# Altium PCB Audio-Beamformer_V1.0.PcbDoc (part 5 of 11)
Units mm, origin at the board's own origin, x right, y up, seen from the top; angles counter-clockwise.
Board outline 300 x 376 mm, 2 copper layers (Top Layer, Bottom Layer), stack 1.548 mm thick; 1137 components, 629 nets, 3569 pads, 2808 vias.
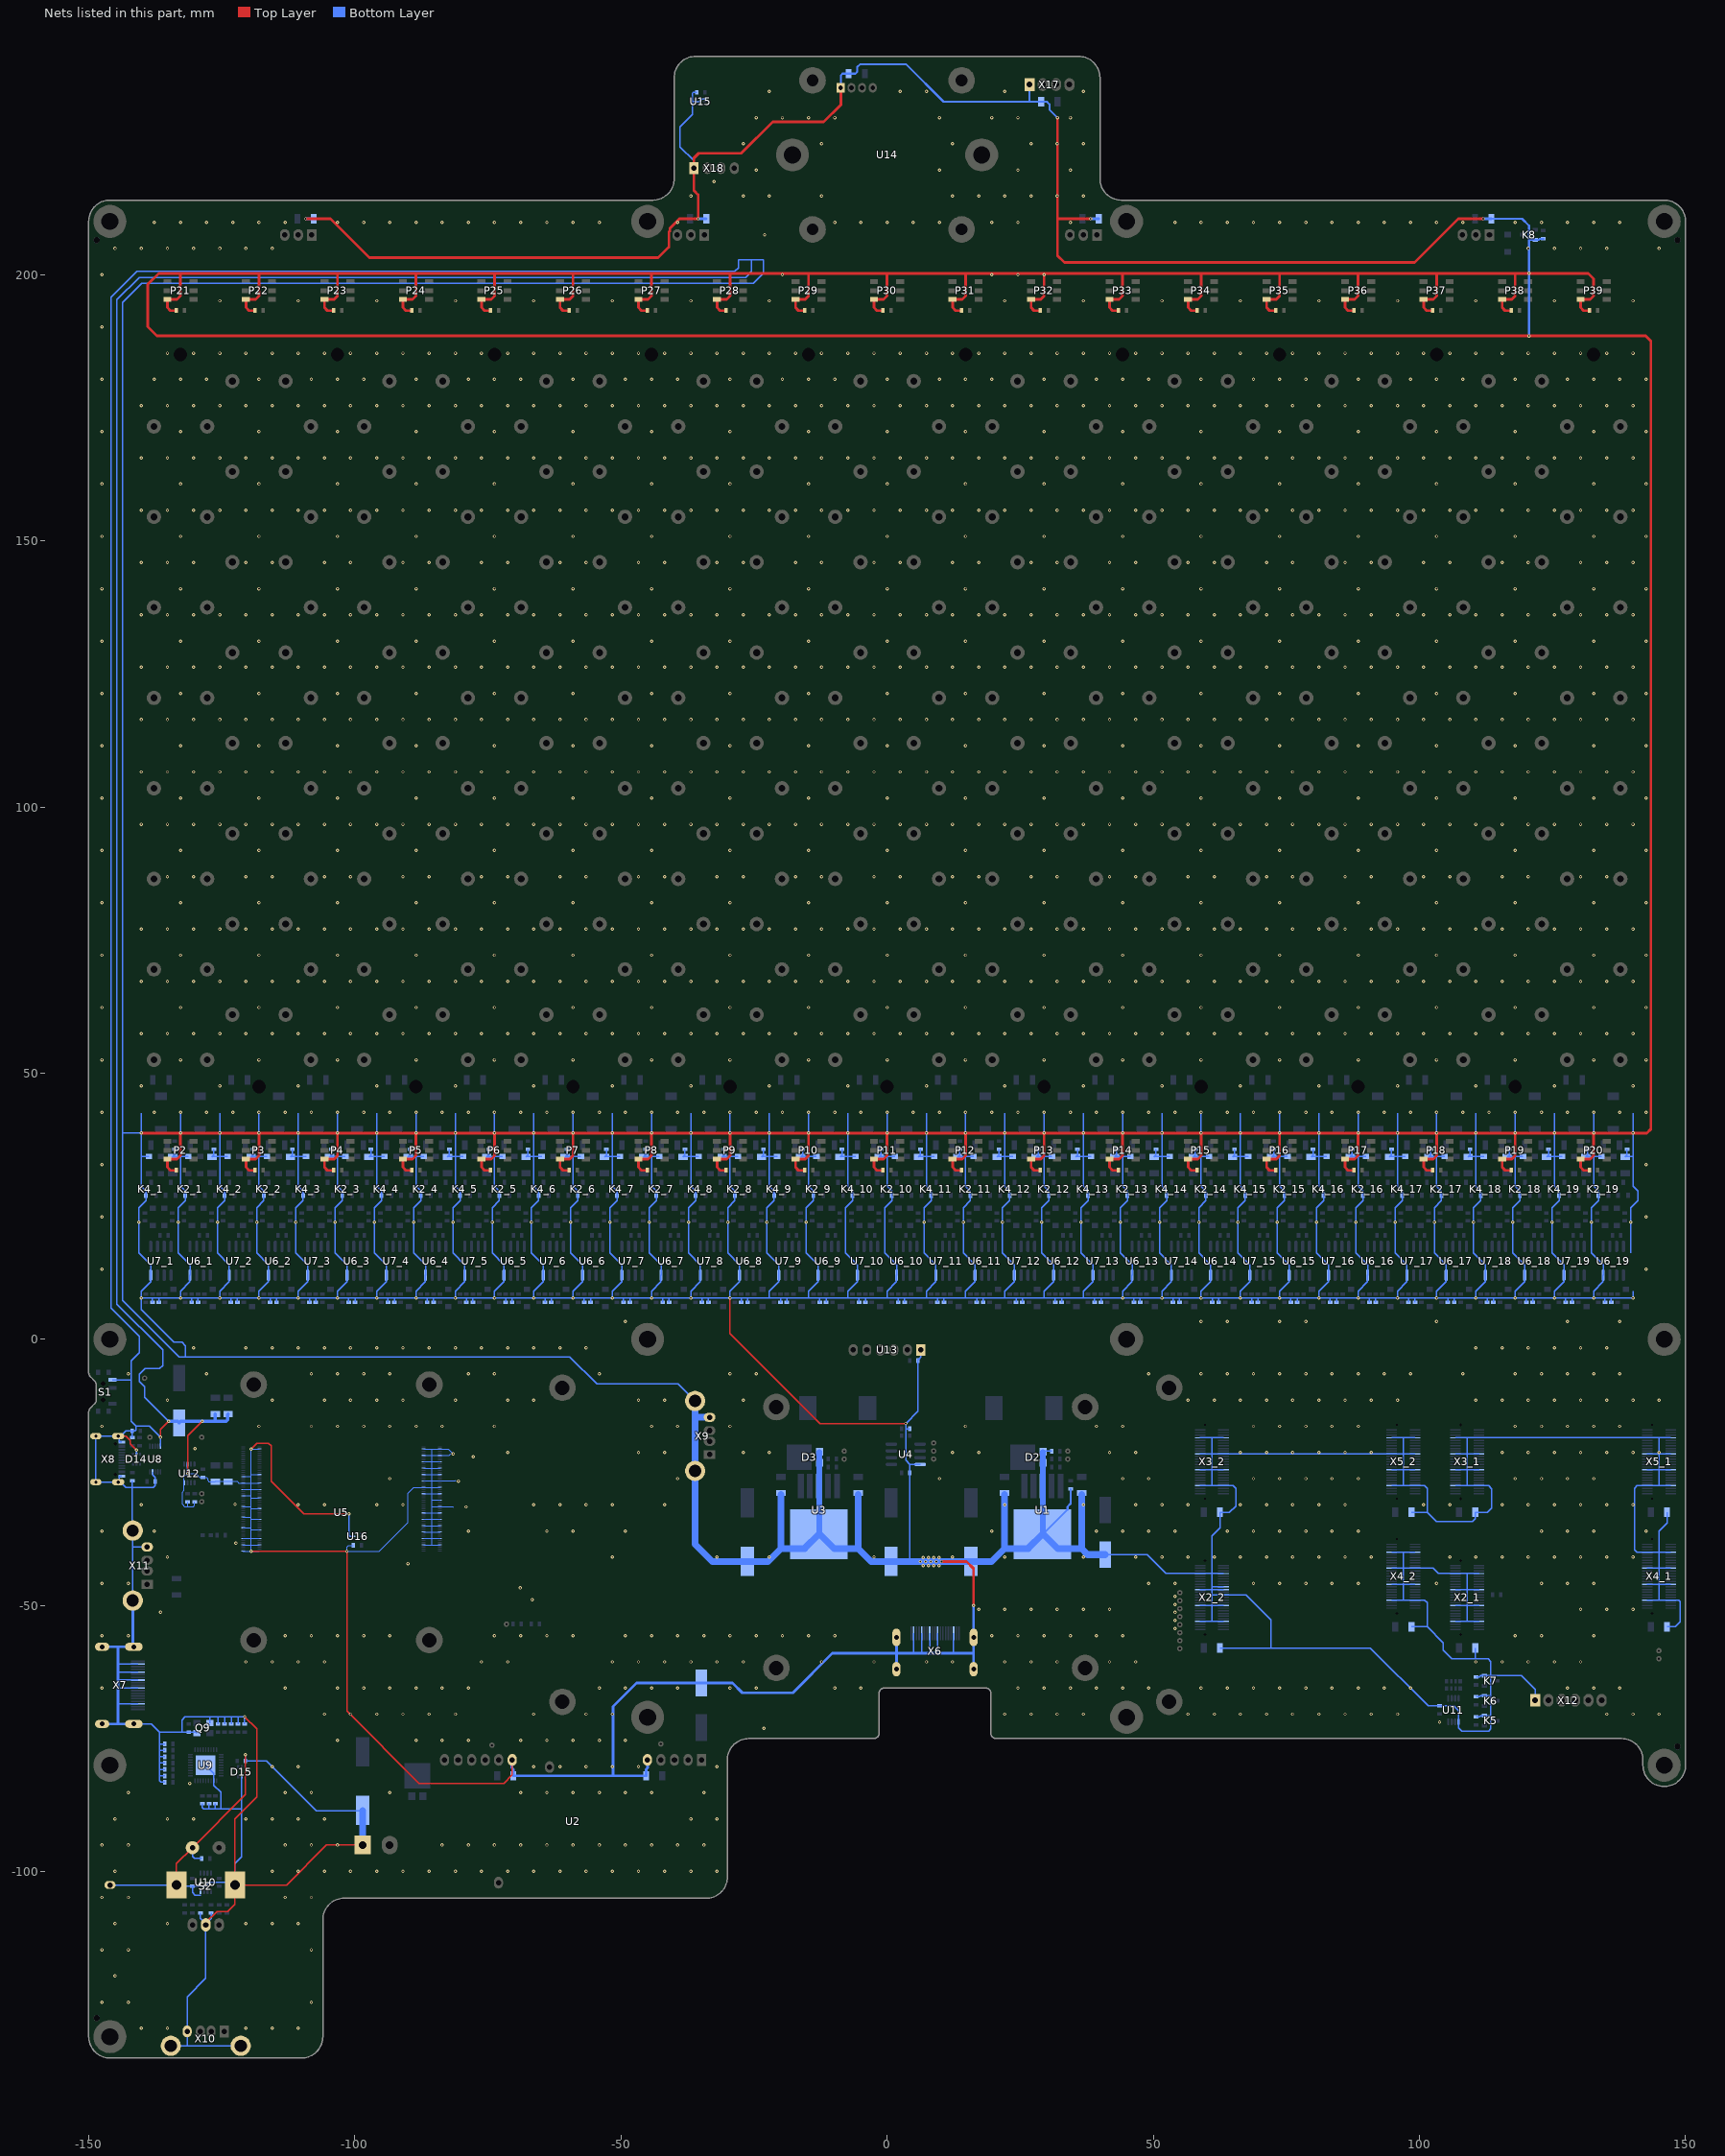
[diagram p5: the nets of this part, all layers, seen from the top]

## Via types
v1: diameter 0.62, hole 0.3, Top Layer to Bottom Layer, tented both sides, 2808 vias

## Nets (pads, with @x,y where several pads share a name; then routed paths per layer and width w, separated by ;. In a path a pad name is that pad's centre, name@x,y a point inside that pad or via, vN(x,y) a via of type N, cw(c..) or ccw(c..) an arc to the next point about the centre after c; other vN are vias at no path point) (continued)
A14_2: C2.1 C3.M C4.M C5.1 C6.1 C7.M C8.M C9.1 C11.1 C12.M C13.M C14.1 C15.1 C16.1 C17.1 C18.M C19.1 C20.1 C21_1.1 C21_2.1 C22_1.1 C22_2.1 C23_1.1 C23_2.1 C24_1.1 C24_2.1 C25_1.1 C25_2.1 C25_3.1 C25_4.1 C25_5.1 C25_6.1 C25_7.1 C25_8.1 C25_9.1 C25_10.1 C25_11.1 C25_12.1 C25_13.1 C25_14.1 C25_15.1 C25_16.1 C25_17.1 C25_18.1 C25_19.1 C26_1.1 C26_2.1 C26_3.1 C26_4.1 C26_5.1 C26_6.1 C26_7.1 C26_8.1 C26_9.1 C26_10.1 C26_11.1 C26_12.1 C26_13.1 C26_14.1 C26_15.1 C26_16.1 C26_17.1 C26_18.1 C26_19.1 C28_1.2 C28_2.2 C28_3.2 C28_4.2 C28_5.2 C28_6.2 C28_7.2 C28_8.2 C28_9.2 C28_10.2 C28_11.2 C28_12.2 C28_13.2 C28_14.2 C28_15.2 C28_16.2 C28_17.2 C28_18.2 C28_19.2 C29_1.1 C29_2.1 C29_3.1 C29_4.1 C29_5.1 C29_6.1 C29_7.1 C29_8.1 C29_9.1 C29_10.1 C29_11.1 C29_12.1 C29_13.1 C29_14.1 C29_15.1 C29_16.1 C29_17.1 C29_18.1 C29_19.1 C30_1.1 C30_2.1 C30_3.1 C30_4.1 C30_5.1 C30_6.1 C30_7.1 C30_8.1 C30_9.1 C30_10.1 C30_11.1 C30_12.1 C30_13.1 C30_14.1 C30_15.1 C30_16.1 C30_17.1 C30_18.1 C30_19.1 C32_1.2 C32_2.2 C32_3.2 C32_4.2 C32_5.2 C32_6.2 C32_7.2 C32_8.2 C32_9.2 C32_10.2 C32_11.2 C32_12.2 C32_13.2 C32_14.2 C32_15.2 C32_16.2 C32_17.2 C32_18.2 C32_19.2 C33.1 C34.1 C35.1 C36.1 C37.1 C38.1 C39.1 C40.1 C41.1 C42.1 C43.1 C44.2 C45.2 C46.1 C47.1 C48.1 C49.1 C50.1 C51.1 C52.1 C53.1 C54.1 C55.1 C56.1 C57.1 C58.1 C59.1 C60.1 C61.1 C62.1 C63.1 C64.1 C65.1 C66.1 C67.1 C68.1 C69.1 C70.1 C71.1 C72.1 C73.1 C74.1 C75.1 C76.1 C77.1 C78.1 C79.1 C80.1 C81.1 C82.1 C83.1 C84.1 C85.1 C86.1 C87.1 C88.1 C89.1 C90.1 C91.1 C92.1 C93.1 C94.1 C95.1 C96.1 C97.1 C98.1 D2.A D3.A D8_1.A D8_2.A D8_3.A D8_4.A D8_5.A D8_6.A D8_7.A D8_8.A D8_9.A D8_10.A D8_11.A D8_12.A D8_13.A D8_14.A D8_15.A D8_16.A D8_17.A D8_18.A D8_19.A D13_1.A D13_2.A D13_3.A D13_4.A D13_5.A D13_6.A D13_7.A D13_8.A D13_9.A D13_10.A D13_11.A D13_12.A D13_13.A D13_14.A D13_15.A D13_16.A D13_17.A D13_18.A D13_19.A D14.2 D15.2 K2_1.S K2_2.S K2_3.S K2_4.S K2_5.S K2_6.S K2_7.S K2_8.S K2_9.S K2_10.S K2_11.S K2_12.S K2_13.S K2_14.S K2_15.S K2_16.S K2_17.S K2_18.S K2_19.S K4_1.S K4_2.S K4_3.S K4_4.S K4_5.S K4_6.S K4_7.S K4_8.S K4_9.S K4_10.S K4_11.S K4_12.S K4_13.S K4_14.S K4_15.S K4_16.S K4_17.S K4_18.S K4_19.S K5.S K6.S K7.S K8.S P2.3 P3.3 P4.3 P5.3 P6.3 P7.3 P8.3 P9.3 P10.3 P11.3 P12.3 P13.3 P14.3 P15.3 P16.3 P17.3 P18.3 P19.3 P20.3 P21.3 P22.3 P23.3 P24.3 P25.3 P26.3 P27.3 P28.3 P29.3 P30.3 P31.3 P32.3 P33.3 P34.3 P35.3 P36.3 P37.3 P38.3 P39.3 Q9.3 R3.1 R4.2 R8.2 R21_1.1 R21_2.1 R21_3.1 R21_4.1 R21_5.1 R21_6.1 R21_7.1 R21_8.1 R21_9.1 R21_10.1 R21_11.1 R21_12.1 R21_13.1 R21_14.1 R21_15.1 R21_16.1 R21_17.1 R21_18.1 R21_19.1 R22_1.1 R22_2.1 R22_3.1 R22_4.1 R22_5.1 R22_6.1 R22_7.1 R22_8.1 R22_9.1 R22_10.1 R22_11.1 R22_12.1 R22_13.1 R22_14.1 R22_15.1 R22_16.1 R22_17.1 R22_18.1 R22_19.1 R25.2 R26.2 R27.2 R28.1 R29.1 R30.1 R31.1 R32.1 R39.1 R40.1 R41.1 R42.1 R43.1 R44.1 S1.3 S2.2 S2.5 S2.6 TP7.1 U1.3 U2.5 U2.6 U3.3 U4.4 U5.1 U5.2 U5.7 U5.8 U5.13 U5.14 U5.22 U5.23 U5.32 U5.33 U5.42 U5.43 U5.52 U5.53 U5.59 U5.60 U5.65 U5.66 U5.71 U5.74 U5.98 U5.107 U5.108 U5.113 U5.114 U5.119 U5.120 U5.125 U5.126 U5.131 U5.132 U5.137 U5.138 U5.144 U5.150 U5.155 U5.156 U5.161 U5.162 U5.167 U5.168 U5.173 U5.174 U5.179 U5.180 U5.185 U5.186 U5.191 U5.192 U5.197 U5.198 U6_1.4 U6_2.4 U6_3.4 U6_4.4 U6_5.4 U6_6.4 U6_7.4 U6_8.4 U6_9.4 U6_10.4 U6_11.4 U6_12.4 U6_13.4 U6_14.4 U6_15.4 U6_16.4 U6_17.4 U6_18.4 U6_19.4 U7_1.4 U7_2.4 U7_3.4 U7_4.4 U7_5.4 U7_6.4 U7_7.4 U7_8.4 U7_9.4 U7_10.4 U7_11.4 U7_12.4 U7_13.4 U7_14.4 U7_15.4 U7_16.4 U7_17.4 U7_18.4 U7_19.4 U8.5 U8.9 U9.11 U9.PAD U10.4 U11.5 U12.4 U12.6 U13.1 U14.1 U15.2 U15.4 U16.2 X1.1 X2_1.4 X2_1.10 X2_1.16 X2_1.22 X2_1.29 X2_1.35 X2_1.41 X2_1.47 X2_2.4 X2_2.10 X2_2.14 X2_2.16 X2_2.17 X2_2.22 X2_2.29 X2_2.35 X2_2.41 X2_2.47 X3_1.4 X3_1.10 X3_1.16 X3_1.22 X3_1.29 X3_1.35 X3_1.41 X3_1.47 X3_2.4 X3_2.10 X3_2.16 X3_2.22 X3_2.29 X3_2.35 X3_2.41 X3_2.47 X4_1.4 X4_1.10 X4_1.16 X4_1.22 X4_1.29 X4_1.35 X4_1.41 X4_1.47 X4_2.4 X4_2.10 X4_2.16 X4_2.22 X4_2.29 X4_2.35 X4_2.41 X4_2.47 X5_1.4 X5_1.10 X5_1.16 X5_1.22 X5_1.29 X5_1.35 X5_1.41 X5_1.47 X5_2.4 X5_2.10 X5_2.16 X5_2.22 X5_2.29 X5_2.35 X5_2.41 X5_2.47 X6.2 X6.5 X6.8 X6.11 X6.17 X6.SHD X7.2 X7.5 X7.8 X7.11 X7.17 X7.SHD X8.A1B12 X8.B1A12 X8.G1 X8.G2 X8.G3 X8.G4 X9.4 X10.4 X11.4 X12.1 X17.1 X18.1 | length 6581.8
  Top Layer w0.254: X8.G4@-144.47,-18.18 -143.02,-18.18 -142.2,-19 -142.2,-19.6 v1(-141,-20.8) ; v1(-136.5,-18.4) -136.5,-16.9 v1(-135,-15.4) ; S2.6@-133.5,-102.5 -133.5,-98.5 S2.5@-130.5,-95.5 -120.538,-85.538 v1(-120.538,-78) ; v1(-131.4,-25.2) -131.4,-18.1 v1(-128.7,-15.4) ; S2.2@-128,-110 -128,-109.6 -125.9,-107.5 -123.9,-107.5 -122.5,-106.1 S2.6@-122.5,-102.5 ; v1(-120.7,-70.9) -118.4,-73.2 -118.4,-86 -122.5,-90.1 S2.6@-122.5,-102.5 ; v1(-119.46,-39.8) v1(-101.5,-39.8) -101.5,-69.8 -87.9,-83.4 -72,-83.4 -70.43,-81.83 U2.6@-70.43,-79 ; v1(-119.46,-20.6) -118.36,-19.5 -116.2,-19.5 -115.7,-20 -115.7,-26.7 -109.6,-32.8 v1(-101.1,-32.8) ; X1.1@-98.54,-95 -105.3,-95 -112.8,-102.5 S2.6@-122.5,-102.5 ; v1(-29.5,7.75) -29.5,1.1 -12.6,-15.8 v1(3.5,-15.8)
  Top Layer w0.508: v1(-140.125,38.75) v1(-132.75,38.75) ; C56.1@-133.512,31.75 -134.65,31.75 -135.2,32.3 P2.3@-135.2,33.85 -133.4,33.85 -132.75,34.5 v1(-132.75,38.75) ; C75.1@-133.512,193.25 -134.65,193.25 -135.2,193.8 P21.3@-135.2,195.35 -133.4,195.35 -132.75,196 -132.75,200.25 ; C57.1@-118.762,31.75 -119.9,31.75 -120.45,32.3 P3.3@-120.45,33.85 -118.65,33.85 -118,34.5 v1(-118,38.75) ; C76.1@-118.762,193.25 -119.9,193.25 -120.45,193.8 P22.3@-120.45,195.35 -118.65,195.35 -118,196 -118,200.25 ; v1(-109.25,210.5) -104.55,210.5 -97.25,203.2 -43,203.2 -41,205.2 -41,208 -40.8,208.2 -40.8,208.7 -39,210.5 v1(-35.5,210.5) -35.5,215 -36.3,215.8 -36.3,219.99 X18.1@-36.31,220 -36.31,221.89 -35.4,222.8 -27.4,222.8 -21.5,228.7 -11.9,228.7 -8.7,231.9 U14.1@-8.7,235.1 ; C58.1@-104.012,31.75 -105.15,31.75 -105.7,32.3 P4.3@-105.7,33.85 -103.9,33.85 -103.25,34.5 v1(-103.25,38.75) ; C77.1@-104.012,193.25 -105.15,193.25 -105.7,193.8 P23.3@-105.7,195.35 -103.9,195.35 -103.25,196 -103.25,200.25 ; C59.1@-89.262,31.75 -90.4,31.75 -90.95,32.3 P5.3@-90.95,33.85 -89.15,33.85 -88.5,34.5 v1(-88.5,38.75) ; C78.1@-89.262,193.25 -90.4,193.25 -90.95,193.8 P24.3@-90.95,195.35 -89.15,195.35 -88.5,196 -88.5,200.25 ; C60.1@-74.512,31.75 -75.65,31.75 -76.2,32.3 P6.3@-76.2,33.85 -74.4,33.85 -73.75,34.5 v1(-73.75,38.75) ; C79.1@-74.512,193.25 -75.65,193.25 -76.2,193.8 P25.3@-76.2,195.35 -74.4,195.35 -73.75,196 -73.75,200.25 ; C61.1@-59.762,31.75 -60.9,31.75 -61.45,32.3 P7.3@-61.45,33.85 -59.65,33.85 -59,34.5 v1(-59,38.75) ; C80.1@-59.762,193.25 -60.9,193.25 -61.45,193.8 P26.3@-61.45,195.35 -59.65,195.35 -59,196 -59,200.25 ; C62.1@-45.012,31.75 -46.15,31.75 -46.7,32.3 P8.3@-46.7,33.85 -44.9,33.85 -44.25,34.5 v1(-44.25,38.75) ; C81.1@-45.012,193.25 -46.15,193.25 -46.7,193.8 P27.3@-46.7,195.35 -44.9,195.35 -44.25,196 -44.25,200.25 ; C63.1@-30.262,31.75 -31.4,31.75 -31.95,32.3 P9.3@-31.95,33.85 -30.15,33.85 -29.5,34.5 v1(-29.5,38.75) ; C82.1@-30.262,193.25 -31.4,193.25 -31.95,193.8 P28.3@-31.95,195.35 -30.15,195.35 -29.5,196 -29.5,200.25 ; C64.1@-15.512,31.75 -16.65,31.75 -17.2,32.3 P10.3@-17.2,33.85 -15.4,33.85 -14.75,34.5 v1(-14.75,38.75) ; C83.1@-15.512,193.25 -16.65,193.25 -17.2,193.8 P29.3@-17.2,195.35 -15.4,195.35 -14.75,196 -14.75,200.25 ; C65.1@-0.762,31.75 -1.9,31.75 -2.45,32.3 P11.3@-2.45,33.85 -0.65,33.85 0,34.5 v1(0,38.75) ; C84.1@-0.762,193.25 -1.9,193.25 -2.45,193.8 P30.3@-2.45,195.35 -0.65,195.35 0,196 0,200.25 ; v1(10.25,-41.75) 14.95,-41.75 16.25,-43.05 v1(16.25,-50) ; C66.1@13.988,31.75 12.85,31.75 12.3,32.3 P12.3@12.3,33.85 14.1,33.85 14.75,34.5 v1(14.75,38.75) ; C85.1@13.988,193.25 12.85,193.25 12.3,193.8 P31.3@12.3,195.35 14.1,195.35 14.75,196 14.75,200.25 ; C67.1@28.738,31.75 27.6,31.75 27.05,32.3 P13.3@27.05,33.85 28.85,33.85 29.5,34.5 v1(29.5,38.75) ; C86.1@28.738,193.25 27.6,193.25 27.05,193.8 P32.3@27.05,195.35 28.85,195.35 29.5,196 v1@29.5,200.25 ; v1(32,229.5) 32,210.5 ; v1(38.25,210.5) 32,210.5 ; C68.1@43.488,31.75 42.35,31.75 41.8,32.3 P14.3@41.8,33.85 43.6,33.85 44.25,34.5 v1(44.25,38.75) ; C87.1@43.488,193.25 42.35,193.25 41.8,193.8 P33.3@41.8,195.35 43.6,195.35 44.25,196 44.25,200.25 ; C69.1@58.238,31.75 57.1,31.75 56.55,32.3 P15.3@56.55,33.85 58.35,33.85 59,34.5 v1(59,38.75) ; C88.1@58.238,193.25 57.1,193.25 56.55,193.8 P34.3@56.55,195.35 58.35,195.35 59,196 59,200.25 ; C70.1@72.988,31.75 71.85,31.75 71.3,32.3 P16.3@71.3,33.85 73.1,33.85 73.75,34.5 v1(73.75,38.75) ; C89.1@72.988,193.25 71.85,193.25 71.3,193.8 P35.3@71.3,195.35 73.1,195.35 73.75,196 73.75,200.25 ; C71.1@87.738,31.75 86.6,31.75 86.05,32.3 P17.3@86.05,33.85 87.85,33.85 88.5,34.5 v1(88.5,38.75) ; C90.1@87.738,193.25 86.6,193.25 86.05,193.8 P36.3@86.05,195.35 87.85,195.35 88.5,196 88.5,200.25 ; C72.1@102.488,31.75 101.35,31.75 100.8,32.3 P18.3@100.8,33.85 102.6,33.85 103.25,34.5 v1(103.25,38.75) ; C91.1@102.488,193.25 101.35,193.25 100.8,193.8 P37.3@100.8,195.35 102.6,195.35 103.25,196 103.25,200.25 ; v1(112,210.5) 107.3,210.5 99.1,202.3 33.3,202.3 32,203.6 32,210.5 ; C73.1@117.238,31.75 116.1,31.75 115.55,32.3 P19.3@115.55,33.85 117.35,33.85 118,34.5 v1(118,38.75) ; C92.1@117.238,193.25 116.1,193.25 115.55,193.8 P38.3@115.55,195.35 117.35,195.35 118,196 118,200.25 ; C74.1@131.988,31.75 130.85,31.75 130.3,32.3 P20.3@130.3,33.85 132.1,33.85 132.75,34.5 v1(132.75,38.75) ; C93.1@131.988,193.25 130.85,193.25 130.3,193.8 P39.3@130.3,195.35 132.1,195.35 132.75,196 132.75,199.25 131.75,200.25 v1(120.6,200.25) 118,200.25 ; v1(-132.75,38.75) v1(-125.375,38.75) v1(-118,38.75) ; -132.75,200.25 -136.85,200.25 -138.9,198.2 -138.9,190.2 -137.2,188.5 -136.25,188.5 v1(120.6,188.5) 142.5,188.5 143.5,187.5 143.5,39.5 142.75,38.75 v1(140.125,38.75) v1(132.75,38.75) ; -132.75,200.25 -118,200.25 ; v1(-118,38.75) v1(-110.625,38.75) v1(-103.25,38.75) ; -118,200.25 -103.25,200.25 ; v1(-103.25,38.75) v1(-95.875,38.75) v1(-88.5,38.75) ; -103.25,200.25 -88.5,200.25 ; v1(-88.5,38.75) v1(-81.125,38.75) v1(-73.75,38.75) ; -88.5,200.25 -73.75,200.25 ; v1(-73.75,38.75) v1(-66.375,38.75) v1(-59,38.75) ; -73.75,200.25 -59,200.25 ; v1(-59,38.75) v1(-51.625,38.75) v1(-44.25,38.75) ; -59,200.25 -44.25,200.25 ; v1(-44.25,38.75) v1(-36.875,38.75) v1(-29.5,38.75) ; -44.25,200.25 -29.5,200.25 ; v1(-29.5,38.75) v1(-22.125,38.75) v1(-14.75,38.75) ; -29.5,200.25 -14.75,200.25 ; v1(-14.75,38.75) v1(-7.375,38.75) v1(0,38.75) ; -14.75,200.25 0,200.25 ; v1(0,38.75) v1(7.375,38.75) v1(14.75,38.75) ; 0,200.25 14.75,200.25 ; v1(14.75,38.75) v1(22.125,38.75) v1(29.5,38.75) ; 14.75,200.25 24.583,200.25 v1@29.5,200.25 ; v1(29.5,38.75) v1(36.875,38.75) v1(44.25,38.75) ; v1@29.5,200.25 44.25,200.25 ; v1(44.25,38.75) v1(51.625,38.75) v1(59,38.75) ; 44.25,200.25 59,200.25 ; v1(59,38.75) v1(66.375,38.75) v1(73.75,38.75) ; 59,200.25 73.75,200.25 ; v1(73.75,38.75) v1(81.125,38.75) v1(88.5,38.75) ; 73.75,200.25 88.5,200.25 ; v1(88.5,38.75) v1(95.875,38.75) v1(103.25,38.75) ; 88.5,200.25 103.25,200.25 ; v1(103.25,38.75) v1(110.625,38.75) v1(118,38.75) ; 103.25,200.25 118,200.25 ; v1(118,38.75) v1(125.375,38.75) v1(132.75,38.75)
  Bottom Layer w0.2: U12.6@-131.425,-23.45 -131.425,-25.175 v1(-131.4,-25.2) ; R44.1@-131.4,-30.562 -131.4,-31.4 ; R43.1@-130.1,-30.562 -130.1,-31.2 -130.3,-31.4 -131.4,-31.4 ; C17.1@-126.25,-26.674 -124,-26.674 -123.974,-26.7 -122.1,-26.7 -121.8,-27 U5.65@-121,-27 -119.46,-27 ; C17.1@-126.2,-26.724 -127.376,-26.724 -127.6,-26.5 -127.6,-26.2 -127.838,-25.962 C55.1@-128.5,-25.962 -128.556,-25.906 -129.127,-25.906 -129.833,-25.2 v1(-131.4,-25.2) ; U5.1@-121,-39.8 v1(-119.46,-39.8) ; U5.7@-121,-38.6 -119.46,-38.6 ; U5.13@-121,-37.4 -119.46,-37.4 ; U5.23@-121,-35.4 -119.46,-35.4 ; U5.33@-121,-33.4 -119.46,-33.4 ; U5.43@-121,-31.4 -119.46,-31.4 ; U5.53@-121,-29.4 -119.46,-29.4 ; U5.59@-121,-28.2 -119.46,-28.2 ; U5.71@-121,-25.8 -119.46,-25.8 ; U5.2@-117.92,-39.8 v1(-119.46,-39.8) ; U5.8@-117.92,-38.6 -119.46,-38.6 ; U5.14@-117.92,-37.4 -119.46,-37.4 ; U5.22@-117.92,-35.8 -119.46,-35.8 ; U5.32@-117.92,-33.8 -119.46,-33.8 ; U5.42@-117.92,-31.8 -119.46,-31.8 ; U5.52@-117.92,-29.8 -119.46,-29.8 ; U5.60@-117.92,-28.2 -119.46,-28.2 ; U5.66@-117.92,-27 -119.46,-27 ; U5.74@-117.92,-25.4 -119.46,-25.4 ; U5.98@-117.92,-20.6 v1(-119.46,-20.6) -119.46,-25.4 ; C98.1@-100.262,-38.7 -101.2,-38.7 -101.5,-39 v1(-101.5,-39.8) -95.4,-39.8 -90,-34.4 -90,-28.9 -88.9,-27.8 U5.161@-87.08,-27.8 -85.54,-27.8 ; U5.107@-87.08,-38.6 -85.54,-38.6 ; U5.113@-87.08,-37.4 -85.54,-37.4 ; U5.119@-87.08,-36.2 -85.54,-36.2 ; U5.125@-87.08,-35 -85.54,-35 ; U5.131@-87.08,-33.8 -85.54,-33.8 ; U5.137@-87.08,-32.6 -85.54,-32.6 ; U5.155@-87.08,-29 -85.54,-29 ; U5.167@-87.08,-26.6 -85.54,-26.6 ; U5.173@-87.08,-25.4 -85.54,-25.4 ; U5.179@-87.08,-24.2 -85.54,-24.2 ; U5.185@-87.08,-23 -85.54,-23 ; U5.191@-87.08,-21.8 -85.54,-21.8 ; U5.197@-87.08,-20.6 -85.54,-20.6 ; U5.108@-84,-38.6 -85.54,-38.6 ; U5.114@-84,-37.4 -85.54,-37.4 ; U5.120@-84,-36.2 -85.54,-36.2 ; U5.126@-84,-35 -85.54,-35 ; U5.132@-84,-33.8 -85.54,-33.8 ; U5.138@-84,-32.6 -85.54,-32.6 ; U5.150@-84,-30.2 -85.54,-30.2 ; U5.156@-84,-29 -85.54,-29 ; U5.162@-84,-27.8 -85.54,-27.8 ; U5.174@-84,-25.4 -85.54,-25.4 ; U5.180@-84,-24.2 -85.54,-24.2 ; U5.186@-84,-23 -85.54,-23 ; -82,-21.5 -82.3,-21.8 U5.192@-84,-21.8 -85.54,-21.8 ; -81.5,-31.5 -81.6,-31.4 U5.144@-84,-31.4 -85.54,-31.4 ; v1(-81.5,-21.5) -82.4,-20.6 U5.198@-84,-20.6 -85.54,-20.6 ; -81,-26.5 -81.1,-26.6 U5.168@-84,-26.6 -85.54,-26.6 ; -131.4,-31.4 -132,-31.4 -132.4,-31 -132.4,-28.7 -132.075,-28.375 -132.075,-25.875 v1(-131.4,-25.2) ; v1(-119.46,-39.8) -119.46,-38.6 ; -119.46,-38.6 -119.46,-37.4 ; -119.46,-37.4 -119.46,-35.8 ; -119.46,-35.8 -119.46,-33.8 ; -119.46,-33.8 -119.46,-31.8 ; -119.46,-31.8 -119.46,-29.8 ; -119.46,-29.8 -119.46,-28.2 ; -119.46,-28.2 -119.46,-27 ; -119.46,-27 -119.46,-25.4 ; -85.54,-38.6 -85.54,-37.4 ; -85.54,-37.4 -85.54,-36.2 ; -85.54,-36.2 -85.54,-35 ; -85.54,-35 -85.54,-33.8 ; -85.54,-33.8 -85.54,-32.6 ; -85.54,-32.6 -85.54,-31.4 ; -85.54,-31.4 -85.54,-30.2 ; -85.54,-30.2 -85.54,-29 ; -85.54,-29 -85.54,-27.8 ; -85.54,-27.8 -85.54,-26.6 ; -85.54,-26.6 -85.54,-25.4 ; -85.54,-25.4 -85.54,-24.2 ; -85.54,-24.2 -85.54,-23 ; -85.54,-23 -85.54,-21.8 ; -85.54,-21.8 -85.54,-20.6
  Bottom Layer w0.25: R26.2@-141.8,-26.562 -141.8,-27.738 -141.8,-27.8 -141.8,-35.85 X11.4@-141.72,-35.93 -141.72,-38.9 ; X11.4@-141.72,-49.07 -141.72,-38.9 ; X11.4@-139.01,-39 -141.62,-39 -141.72,-38.9 ; -36.07,-14.6 -36.02,-14.65 ; C3.M@41,-40.45 48.85,-40.45 52.4,-44 X2_2.29@58.8,-44 61,-44 ; X2_2.47@58.8,-53 61,-53 ; X2_2.41@58.8,-50 61,-50 ; X2_2.35@58.8,-47 61,-47 ; X3_2.47@58.8,-27.5 61,-27.5 ; X3_2.41@58.8,-24.5 61,-24.5 ; X3_2.35@58.8,-21.5 61,-21.5 ; X3_2.29@58.8,-18.5 61,-18.5 ; C21_2.1@62.524,-58 72.1,-58 ; X2_2.4@63.2,-53 61,-53 ; X2_2.10@63.2,-50 61,-50 ; X2_2.16@63.2,-47 61,-47 ; X2_2.17@63.2,-46.5 61,-46.5 ; X2_2.22@63.2,-44 61,-44 ; X3_2.10@63.2,-24.5 61,-24.5 ; X3_2.22@63.2,-18.5 61,-18.5 ; X4_2.47@94.8,-49 97,-49 ; X4_2.41@94.8,-46 97,-46 ; X4_2.35@94.8,-43 97,-43 ; X4_2.29@94.8,-40 97,-40 ; X5_2.47@94.8,-27.5 97,-27.5 ; X5_2.41@94.8,-24.5 97,-24.5 ; X5_2.29@94.8,-18.5 97,-18.5 ; C23_2.1@98.524,-54 101.5,-54 ; C24_2.1@98.524,-32.5 101.5,-32.5 ; X4_2.10@99.2,-46 97,-46 ; X4_2.22@99.2,-40 97,-40 ; X5_2.10@99.2,-24.5 97,-24.5 ; X5_2.16@99.2,-21.5 97,-21.5 ; X5_2.22@99.2,-18.5 97,-18.5 ; C50.1@103.8,-68.838 101.638,-68.838 90.8,-58 72.1,-58 ; X2_1.47@106.8,-53 109,-53 ; X2_1.41@106.8,-50 109,-50 ; X2_1.35@106.8,-47 109,-47 ; X3_1.47@106.8,-27.5 109,-27.5 ; X3_1.41@106.8,-24.5 109,-24.5 ; X3_1.35@106.8,-21.5 109,-21.5 ; X3_1.29@106.8,-18.5 109,-18.5 ; C21_1.1@110.524,-58 110.524,-60 ; X2_1.4@111.2,-53 109,-53 ; X2_1.10@111.2,-50 109,-50 ; X2_1.16@111.2,-47 109,-47 ; X2_1.22@111.2,-44 109,-44 ; X3_1.10@111.2,-24.5 109,-24.5 ; X3_1.16@111.2,-21.5 109,-21.5 ; 113.4,-60.5 112.9,-60 110.524,-60 ; X4_1.47@142.8,-49 145,-49 ; X4_1.41@142.8,-46 145,-46 ; X4_1.35@142.8,-43 145,-43 ; X5_1.41@142.8,-24.5 145,-24.5 ; X5_1.35@142.8,-21.5 v1@145,-21.5 ; C23_1.1@146.524,-54 148.1,-54 149,-53.1 149,-49.3 148.7,-49 X4_1.4@147.2,-49 145,-49 ; C24_1.1@146.524,-32.5 146.524,-34.476 145,-36 145,-40 ; X4_1.10@147.2,-46 145,-46 ; X4_1.16@147.2,-43 145,-43 ; X4_1.22@147.2,-40 145,-40 ; X5_1.4@147.2,-27.5 145,-27.5 ; X5_1.10@147.2,-24.5 145,-24.5 ; X5_1.16@147.2,-21.5 v1@145,-21.5 ; X5_1.22@147.2,-18.5 145,-18.5 ; 61,-53 61,-50 ; 61,-50 61,-48 ; 61,-48 61,-47 ; 61,-48 X2_2.14@63.2,-48 67.4,-48 72.1,-52.7 72.1,-58 ; 61,-47 61,-46.5 ; 61,-46.5 61,-44 ; 61,-44 61,-36.9 62.524,-35.376 C22_2.1@62.524,-32.5 64.3,-32.5 65.5,-31.3 65.5,-28 65,-27.5 X3_2.4@63.2,-27.5 61,-27.5 ; 61,-27.5 61,-24.5 ; 61,-24.5 61,-21.5 ; 61,-21.5 X3_2.16@63.2,-21.5 81.125,-21.5 X5_2.35@94.8,-21.5 97,-21.5 ; 61,-21.5 61,-18.5 ; 97,-49 97,-46 ; 97,-49 X4_2.4@99.2,-49 101,-49 101.5,-49.5 101.5,-54 ; 97,-46 97,-43 ; 97,-43 X4_2.16@99.2,-43 102.6,-43 103.6,-44 X2_1.29@106.8,-44 109,-44 ; 97,-43 97,-40 ; 97,-27.5 X5_2.4@99.2,-27.5 101,-27.5 101.5,-28 101.5,-32.5 ; 97,-27.5 97,-24.5 ; 97,-24.5 97,-21.5 ; 97,-21.5 97,-18.5 ; 101.5,-54 104.5,-57 104.5,-58.4 106.1,-60 110.524,-60 ; 101.5,-32.5 103.2,-34.2 110,-34.2 110.524,-33.676 C22_1.1@110.524,-32.5 112.8,-32.5 113.6,-31.7 113.6,-28.1 113,-27.5 X3_1.4@111.2,-27.5 109,-27.5 ; 109,-53 109,-50 ; 109,-50 109,-47 ; 109,-47 109,-44 ; 109,-27.5 109,-24.5 ; 109,-24.5 109,-21.5 ; 109,-21.5 109,-18.5 ; 109,-18.5 X3_1.22@111.2,-18.5 X5_1.29@142.8,-18.5 145,-18.5 ; 145,-49 145,-46 ; 145,-46 145,-43 ; 145,-43 145,-40 ; 145,-40 X4_1.29@142.8,-40 140.9,-40 140.4,-39.5 140.4,-28 140.9,-27.5 X5_1.47@142.8,-27.5 145,-27.5 ; 145,-27.5 145,-24.5 ; 145,-24.5 v1@145,-21.5 ; v1@145,-21.5 145,-18.5